# Altium PCB EL2086.PcbDoc (part 3 of 4) (continued)
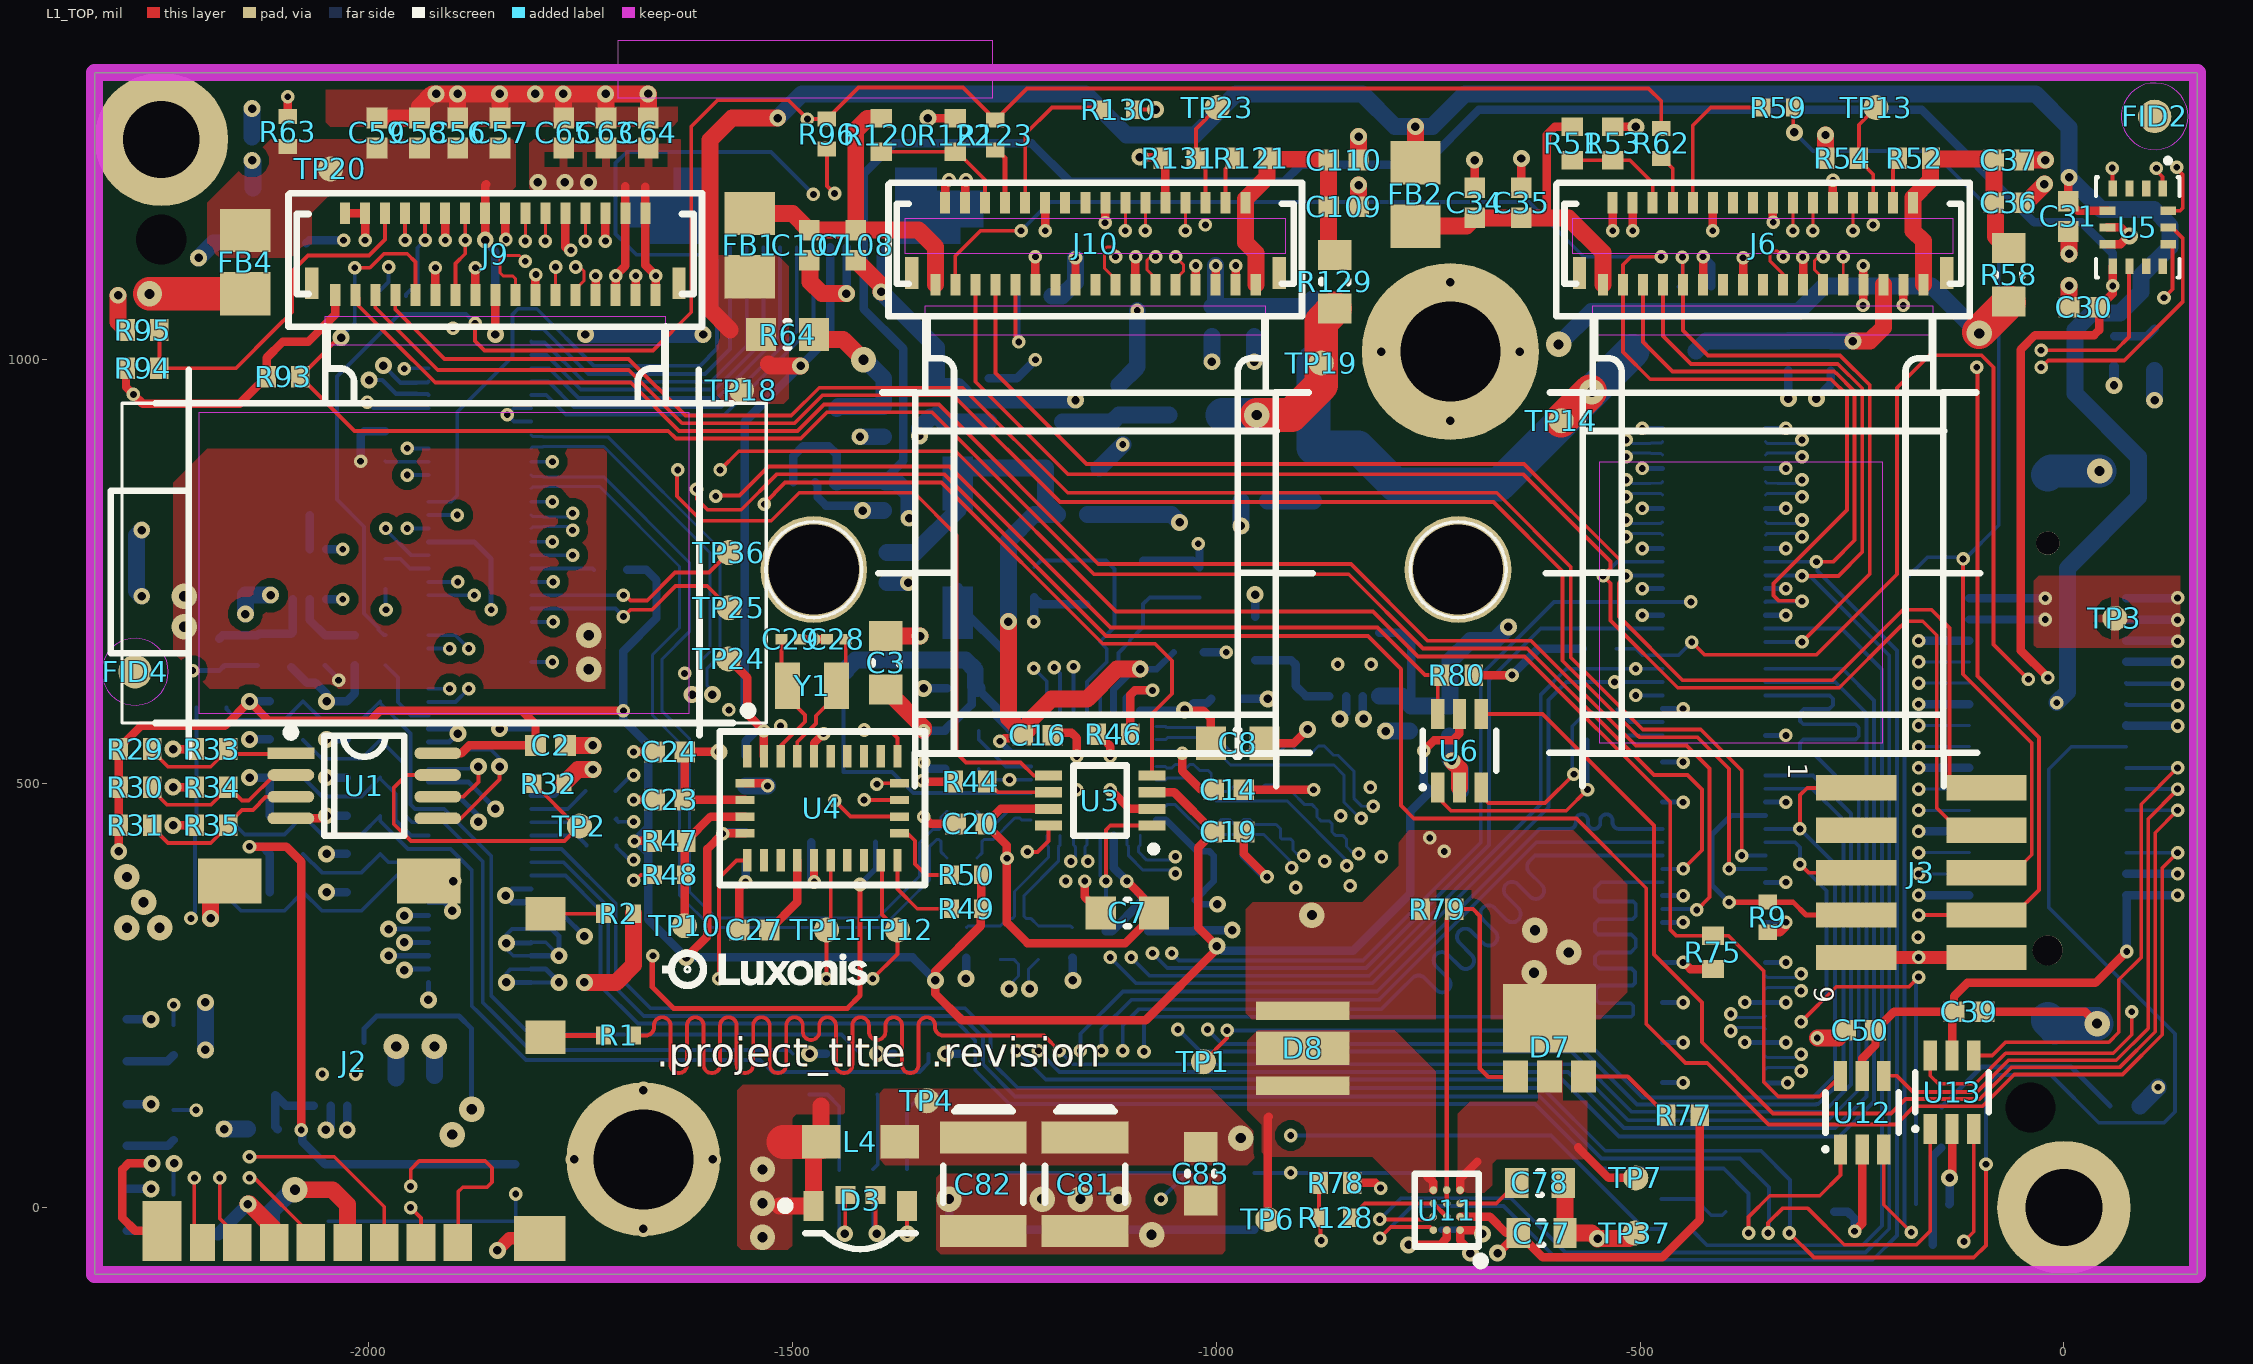
[diagram p0: L1_TOP view]
## Nets (pads, with @x,y where several pads share a name; then routed paths per layer and width w, separated by ;. In a path a pad name is that pad's centre, name@x,y a point inside that pad or via, vN(x,y) a via of type N, cw(c..) or ccw(c..) an arc to the next point about the centre after c; other vN are vias at no path point) (continued)
  L6_BOT w4.5: R10.1@-526.85,587.42 -512.04,572.61 J4.56@-473.35,572.61
KB_PWR_BTN: B1.2 R72.1 R73.2 | length 85.6
  L6_BOT w4.5: R72.1@-475,10 R73.2@-440,10 -435,10 -416,-9 -402.98,-9 B1.2@-398.98,-5
KB_PWR_BTN_S: J4.45 R72.2 | length 1862.1
  L3_HS w4.5: v1(-1010,210) -1010,180 -915,85 v1(-912,85)
  L6_BOT w4.5: v1(-1010,210) -993,193 -575,193 -503.5,121.5 -292.48,121.5 -291.98,122 -289.73,122 -260,151.73 -260,457.37 -296.5,493.87 J4.45@-352.09,493.87 ; v1(-912,85) -605,85 -494.57,-25.43 R72.2@-475,-25.43
KB_SW_RST: J4.47 SW2.1 SW2.3 | length 1759.2
  L3_HS w4.5: v1(-1065,10) -1045,30 v1(-1045,210)
  L6_BOT w4.5: SW2.1@-1249.8,40.89 SW2.3@-1034.11,40.89 ; v1(-1065,10) SW2.3@-1034.11,40.89 ; v1(-1045,210) -1044.23,210 -1018.23,184 -581,184 -510,113 -283,113 -251,145 -251,464.58 -296.03,509.62 J4.47@-352.09,509.62 ; SW2.3@-1029.33,40.89 SW2.3@-1034.11,40.89
LED0_10_GRN: R8.1 U2.27 | length 1778.4
  L3_HS w4.5: v1(-2203,115) -2194,124 -1955,124 -1917,162 -1864,215 -1512,215 -1501,204 -1077,204 -1019.72,261.28 -1019.72,328.18 -1072,380.46 -1072,520.17 -1072,535.28 -1142.65,605.93 -1157.76,605.93 -1168.19,616.36 v1(-1168.19,638)
  L6_BOT w4.5: R8.1@-2229.57,115.14 -2203.14,115.14 v1(-2203,115) ; U2.27@-1168.19,586.24 v1(-1168.19,638)
LED1: D8.1 TP6.1 U11.D3 | length 140.8
  L1_TOP w10: TP6.1@-939,-14 -939,106 -938,107 ; -751,37 -743.75,29.75 U11.D3@-743.75,20.62
LED1_100_OR: R56.1 U2.26 | length 1773.4
  L3_HS w4.5: v1(-2229.57,239) -2203.57,213 -1901,213 -1890,224 -1506,224 -1495,213 -1083.27,213 -1028.72,267.55 -1028.72,324.45 -1081,376.73 -1081,531.55 -1143.49,594.04 -1170.49,594.04 -1191,614.55 v1(-1191,637)
  L6_BOT w4.5: R56.1@-2229.57,215.14 v1(-2229.57,239) ; v1(-1191,637) -1183.94,629.94 U2.26@-1183.94,586.24
LED2: D7.2 TP7.1 U11.D1 | length 124.5
  L1_TOP w10: U11.D1@-712.25,20.62 -712.25,33.75 -692.11,53.89 ; -573,71 -537,35 TP7.1@-505,35
LED2_1000_GRN: R57.1 U2.25 | length 2051.9
  L3_HS w4.5: v2(-2229,52) -2231.07,52 -2234,54.93 -2234,147 -2276.93,189.93 -2276.93,248.07 -2266.5,258.5 -2179.5,258.5 -2144,223 -1905,223 -1895,233 -1501,233 -1490,222 -1087,222 -1037.72,271.28 -1037.72,297 -1037.72,320.72 -1090,373 -1090,523.27 -1146.73,580 -1174.07,580 -1200,605.93 -1215,620.93 v1(-1215,636)
  L6_BOT w4.5: R57.1@-2229.57,15.14 -2229.57,51.43 v2(-2229,52) ; v1(-1215,636) -1199.68,620.68 U2.25@-1199.68,586.24
MD1_N: J7.3 U2.2 | length 1777.1
  L3_HS w4: v1(-828.81,459.19) -823.86,459.19 -812.51,447.83 -793.98,447.83 -779.73,433.59 -779.73,415.05 -752.47,387.8 -724.41,387.8 -714.75,378.14 -714.75,253.69 -572.31,111.25 -538.36,111.25 -522.84,126.76 -482.08,126.76 -466.56,111.25 -430.4,111.25 -414.12,127.53 -357.53,127.53 -341.25,111.25 -281.08,111.25 -237.14,155.19 -237.14,308.91 -230.32,315.74 -219.9,315.74 -210.63,306.47 -210.63,234.25 -197.63,221.25 -171.08,221.25 -128.94,263.39 -128.94,402.56 -144.96,418.58 v1(-171.48,418.58)
  L6_BOT w3.5: U2.2@-1070.75,551.79 -1059.72,551.79 -1057.07,554.44 -1015.59,554.44 -983.11,521.96 -861.06,521.96 -849.1,510 -849.1,478.04 -830.25,459.19 v1(-828.81,459.19) ; v1(-171.48,418.58) J7.3@-111.69,418.58
MD1_P: J7.2 U2.1 | length 1779.2
  L3_HS w4: v1(-814.67,473.33) -814.67,468.38 -807.13,460.83 -788.59,460.83 -766.73,438.98 -766.73,420.44 -747.09,400.8 -719.02,400.8 -701.75,383.52 -701.75,259.07 -566.93,124.25 -543.74,124.25 -528.23,139.76 -476.69,139.76 -461.18,124.25 -435.79,124.25 -419.51,140.53 -352.15,140.53 -335.86,124.25 -286.47,124.25 -250.14,160.57 -250.14,314.3 -235.7,328.74 -214.52,328.74 -197.63,311.85 -197.63,239.64 -192.24,234.25 -176.46,234.25 -141.94,268.78 -141.94,336.39 -141.94,346.84 -151.94,356.84 -151.94,366.84 -141.94,376.84 -141.94,380.84 -141.94,397.17 -150.35,405.58 -164.85,405.58 -171.48,398.96 v1(-171.48,393.58)
  L6_BOT w3.5: U2.1@-1070.75,567.54 -1059.72,567.54 -1058.13,565.94 -1010.83,565.94 -978.35,533.46 -967.52,533.46 -956.69,544.29 -948.82,544.29 -937.99,533.46 -929.13,533.46 -918.31,544.29 -910.43,544.29 -899.61,533.46 -889.92,533.46 -879.09,544.29 -872.42,544.29 -861.59,533.46 -856.3,533.46 -837.6,514.76 -837.6,482.8 -828.13,473.33 v1(-814.67,473.33) ; v1(-171.48,393.58) J7.2@-111.69,393.58
MD2_N: J7.6 U2.5 | length 1760.1
  L3_HS w4: v1(-845.83,403.17) -840.88,403.17 -786.13,348.43 -767.9,348.43 -761.75,342.27 -761.75,248.36 -587.64,74.25 -523.03,74.25 -506.93,90.35 -492.79,90.35 -476.69,74.25 -416.22,74.25 -401.11,89.36 -372.51,89.36 -357.4,74.25 -265.76,74.25 -199.6,140.41 -199.6,172.76 -192.45,179.91 -160.09,179.91 -92.32,247.69 -92.32,428.35 -68.9,451.77 -68.9,481.97 -99.02,512.09 -126.38,512.09 -130.18,508.28 -144.88,493.58 v1(-171.48,493.58)
  L6_BOT w3.5: U2.5@-1070.75,504.55 -1059.72,504.55 -1057.6,506.67 -1026.91,506.67 -999.49,479.25 -915.9,479.25 -845.83,409.18 v1(-845.83,403.17) ; v1(-171.48,493.58) J7.6@-111.69,493.58
MD2_P: J7.5 U2.4 | length 1772.5
  L3_HS w4: v1(-831.69,417.31) -831.69,412.36 -814.02,394.7 -798.24,394.7 -794.31,390.76 -794.31,374.98 -780.75,361.43 -762.52,361.43 -748.75,347.65 -748.75,253.74 -582.26,87.25 -528.42,87.25 -512.32,103.35 -487.41,103.35 -471.31,87.25 -421.61,87.25 -406.5,102.36 -367.13,102.36 -352.01,87.25 -271.14,87.25 -212.6,145.79 -212.6,178.15 -197.83,192.91 -165.48,192.91 -105.32,253.07 -105.32,433.74 -81.9,457.16 -81.9,476.58 -104.4,499.09 -120.99,499.09 -139.5,480.58 -159.48,480.58 v1(-171.48,468.58)
  L6_BOT w3.5: U2.4@-1070.75,520.3 -1059.72,520.3 -1057.6,518.17 -1052.61,518.17 -1048.15,522.64 -1044.29,522.64 -1039.82,518.17 -1035.59,518.17 -1031.12,522.64 -1026.57,522.64 -1019.69,515.75 -1009.66,515.75 -1005.73,511.81 -1005.73,501.75 -994.73,490.75 -989.17,490.75 -985.17,490.75 -976.95,498.97 -966.95,498.97 -958.73,490.75 -953,490.75 -950.19,490.75 -942.48,498.46 -928.58,498.46 -920.87,490.75 -911.13,490.75 -895.56,475.18 -886.59,475.18 -880.91,469.49 -880.91,460.52 -876.58,456.2 -866.86,456.2 -863.41,452.75 -863.41,443.03 -859.36,438.98 -850.68,438.98 -846.2,434.5 -846.2,425.81 -837.7,417.31 v1(-831.69,417.31) ; v1(-171.48,468.58) J7.5@-111.69,468.58
MD3_N: J7.9 U2.7 | length 1830.9
  L3_HS w4: v1(-910.91,400.93) -905.96,400.93 -798.96,293.93 -798.96,233.24 -602.97,37.25 -250.43,37.25 -53.93,233.75 -53.93,408 -21.65,440.28 -21.65,489.17 -101.06,568.58 -169.14,568.58 v1(-171.48,568.58)
  L6_BOT w3.5: U2.7@-1070.75,473.05 -1059.72,473.05 -1057.6,475.18 -1048.14,475.18 -1013.24,440.27 -953,440.27 -944.24,440.27 -910.91,406.94 v1(-910.91,400.93) ; v1(-171.48,568.58) J7.9@-111.69,568.58
MD3_P: J7.8 U2.6 | length 1832
  L3_HS w4: v1(-896.77,415.07) -896.77,410.12 -848.99,362.34 -845.1,358.46 -830.96,358.46 -823.89,351.38 -823.89,337.24 -816.82,330.17 -802.68,330.17 -795.61,323.1 -795.61,308.96 -792.78,306.13 -785.96,299.31 -785.96,238.63 -597.58,50.25 -255.81,50.25 -66.93,239.13 -66.93,413.39 -34.65,445.66 -34.65,483.79 -106.45,555.58 -164.89,555.58 -171.48,548.99 v1(-171.48,543.58)
  L6_BOT w3.5: U2.6@-1070.75,488.8 -1059.72,488.8 -1057.6,486.68 -1043.38,486.68 -1009.46,452.76 -998.42,452.76 -993.22,457.95 -984.52,457.95 -979.33,452.76 -972.26,452.76 -967.07,457.95 -960.9,457.95 -954.72,451.77 -929.13,451.77 -924.31,446.95 -924.21,446.95 -924.21,436.5 -922.2,434.5 -911.86,434.5 -909.33,431.97 -909.33,421.62 -902.78,415.07 v1(-896.77,415.07) ; v1(-171.48,543.58) J7.8@-111.69,543.58
MD4_N: J7.12 U2.10 | length 2005
  L3_HS w4: v1(-1048,394) -1044.5,397.5 -995.15,397.5 -925.75,328.1 -925.75,303.17 -622.83,0.25 -235.1,0.25 29.25,264.6 29.25,489.49 -124.84,643.58 v1(-171.48,643.58)
  L6_BOT w3.5: U2.10@-1105.2,438.6 -1105.2,427.58 -1103.07,425.45 -1103.07,414.81 -1086.51,398.25 -1052.25,398.25 v1(-1048,394) ; v1(-171.48,643.58) J7.12@-111.69,643.58
MD4_P: J7.11 U2.9 | length 1997.6
  L3_HS w4: v1(-1048,414) -1044.5,410.5 -1034.49,410.5 -1030.49,410.5 -1020.49,420.5 -1010.49,420.5 -1000.49,410.5 -989.76,410.5 -912.75,333.49 -912.75,308.56 -907.68,303.48 -904.85,300.65 -890.71,300.65 -883.63,293.58 -883.63,279.44 -875.86,271.66 -861.71,271.66 -854.64,264.59 -854.64,250.45 -846.87,242.67 -832.72,242.67 -825.65,235.6 -825.65,221.46 -811.94,207.75 -617.44,13.25 -240.49,13.25 16.25,269.99 16.25,484.1 -99.72,600.08 -102.55,602.91 -116.27,602.91 -123.35,609.98 -123.35,623.7 -126.17,626.53 -130.23,630.58 -135.93,630.58 -142.72,623.79 -149.39,623.79 -156.17,630.58 -164.69,630.58 -171.48,623.79 v1(-171.48,618.58)
  L6_BOT w3.5: U2.9@-1089.45,438.6 -1089.45,427.58 -1091.57,425.45 -1091.57,419.57 -1081.75,409.75 -1052.25,409.75 v1(-1048,414) ; v1(-171.48,618.58) J7.11@-111.69,618.58
MIPI_RX2_C_N: J4.95 J6.20 | length 708.5
  L1_TOP w3.5: v1(-319.67,1152) J6.20@-319.67,1184.95
  L3_HS w4: v1(-319.67,1152) -320.74,1152 -324.9,1147.84 -342.98,1147.84 -360.25,1130.57 -360.25,1105.31 -360.25,1096.81 ccw(c-337.75,1096.81) -337.75,1074.31 -291.42,1074.31 cw(c-291.42,1064.81) -291.42,1055.31 -367.94,1055.31 ccw(c-367.94,1032.81) -367.94,1010.31 -303.5,1010.31 cw(c-303.5,1000.81) -303.5,991.31 -337.75,991.31 ccw(c-337.75,968.81) -360.25,968.81 -360.25,932.09 -360.25,903.56 -343.3,886.61 -313.41,886.61 -310.16,886.61 v1(-309,885.44)
  L6_BOT w3.5: J4.95@-352.09,887.57 -349.96,889.69 -313.25,889.69 v1(-309,885.44)
MIPI_RX2_C_P: J4.97 J6.19 | length 711
  L1_TOP w3.5: J6.19@-331.19,1088.49 -331.19,1100.79 -346.46,1116.05 -346.46,1124.42 -342.92,1127.95 -337.7,1127.95 v1(-331.19,1121.44)
  L3_HS w4: v1(-331.19,1121.44) -325.56,1121.44 -321.85,1125.15 -321.85,1131.92 -324.77,1134.84 -337.59,1134.84 -347.25,1125.18 -347.25,1105.31 -347.25,1096.81 ccw(c-337.75,1096.81) -337.75,1087.31 -291.42,1087.31 cw(c-291.42,1064.81) -291.42,1042.31 -367.94,1042.31 ccw(c-367.94,1032.81) -367.94,1023.31 -303.5,1023.31 cw(c-303.5,1000.81) -303.5,978.31 -337.75,978.31 ccw(c-337.75,968.81) -347.25,968.81 -347.25,932.09 -347.25,908.94 -337.91,899.61 -314.84,899.61 v1(-309,905.44)
  L6_BOT w3.5: J4.97@-352.09,903.32 -349.96,901.19 -313.25,901.19 v1(-309,905.44)
MIPI_RX2_D0_N: J4.89 J6.26 | length 706.4
  L1_TOP w3.5: v1(-248.81,1152) J6.26@-248.81,1184.95
  L3_HS w4: v1(-309,838.2) -305.75,838.2 -302.25,841.7 -247.3,841.7 -227.36,861.64 -227.36,881.89 -239.38,893.91 -268.24,893.91 -272.05,897.72 -272.05,910.35 -268.24,914.17 -197,914.17 -194.36,914.17 -181.91,926.61 -181.91,949.31 -193.23,960.63 -197,960.63 -233.58,960.63 -238.11,965.15 -238.11,972.5 -231.48,979.13 -197,979.13 -195.09,979.13 -179.6,994.61 -179.6,1011.1 -179.6,1026.78 -204,1051.18 -204,1121.53 -224.42,1141.95 -239.5,1141.95 -248.81,1151.26 v1(-248.81,1152)
  L6_BOT w3.5: J4.89@-352.09,840.33 -350.29,842.12 -338.34,842.12 -338.01,842.45 -316.63,842.45 -312.38,838.2 v1(-309,838.2)
MIPI_RX2_D0_P: J4.91 J6.25 | length 705.5
  L1_TOP w3.5: J6.25@-260.32,1088.49 v1(-260.32,1121.44)
  L3_HS w4: v1(-309,858.2) -305.75,858.2 -302.25,854.7 -252.69,854.7 -240.36,867.03 -240.36,876.51 -244.76,880.91 -273.62,880.91 -285.05,892.33 -285.05,915.74 -284.66,916.13 -273.62,927.17 -199.74,927.17 -197,929.91 -194.91,932 -194.91,943.93 -197,946.02 -198.61,947.63 -238.97,947.63 -251.11,959.77 -251.11,977.88 -236.86,992.13 -200.47,992.13 -197,995.6 -192.6,1000 -192.6,1011.1 -192.6,1021.4 -217,1045.8 -217,1116.14 -229.81,1128.95 -244.88,1128.95 -254.93,1139 -264.54,1139 -269.74,1133.81 -269.74,1125.15 -266.03,1121.44 v1(-260.32,1121.44)
  L6_BOT w3.5: J4.91@-352.09,856.07 -350.29,854.28 -338.34,854.28 -338.01,853.95 -316.63,853.95 -312.38,858.2 v1(-309,858.2)
MIPI_RX2_D1_N: J4.83 J6.22 | length 709.8
  L1_TOP w3.5: v1(-296.05,1152) J6.22@-296.05,1184.95
  L3_HS w4: v1(-309,790.96) -250.7,790.96 -197,844.65 -142.51,899.14 -142.51,1011.1 -142.51,1117.31 -211.43,1186.23 -260.62,1186.23 -278.25,1168.6 -278.25,1159.43 -285.68,1152 v1(-296.05,1152)
  L6_BOT w3.5: J4.83@-352.09,793.08 -349.96,795.21 -313.25,795.21 v1(-309,790.96)
MIPI_RX2_D1_P: J4.85 J6.23 | length 711.1
  L1_TOP w3.5: J6.23@-283.95,1088.49 -283.95,1095.67 -294.29,1106.02 -294.29,1116.8 -289.65,1121.44 v1(-283.95,1121.44)
  L3_HS w4: v1(-309,810.96) -302,803.96 -296.26,803.96 -292.26,803.96 -282.13,814.09 -272.13,814.09 -262,803.96 -257.87,803.96 -256.08,803.96 -197,863.04 -155.51,904.53 -155.51,1011.1 -155.51,1111.92 -216.82,1173.23 -255.24,1173.23 -265.25,1163.22 -265.25,1154.04 -280.29,1139 -289.15,1139 -294,1134.15 -294,1124.03 -291.42,1121.44 v1(-283.95,1121.44)
  L6_BOT w3.5: J4.85@-352.09,808.83 -349.96,806.71 -313.25,806.71 v1(-309,810.96)
MIPI_RX3_C_N: J4.96 J10.20 | length 1202.2
  L1_TOP w3.5: v1(-1107.07,1152) J10.20@-1107.07,1184.95
  L3_HS w4: v1(-1107.07,1152) -1112.07,1147 -1133.48,1147 -1151,1129.48 -1151,1043.62 -1104.98,997.6 -1083.02,997.6 -1065,1015.62 -1065,1063.62 -1059.62,1069 -1044.38,1069 -1037,1061.62 -1037,929.62 -987.38,880 -914,880 -893.5,900.5 -893.5,949.12 -882.62,960 -841.38,960 -833,951.62 -833,909 -813,889 -519.99,889 v1(-516.43,885.44)
  L6_BOT w3.5: v1(-516.43,885.44) -513.05,885.44 -508.8,889.69 -487.43,889.69 -487.1,889.36 -475.14,889.36 J4.96@-473.35,887.57
MIPI_RX3_C_P: J4.98 J10.19 | length 1210.8
  L1_TOP w3.5: J10.19@-1118.59,1088.49 -1118.59,1094.97 -1131.89,1108.27 -1131.89,1129.92 -1128.94,1132.87 -1122.05,1132.87 -1118.59,1129.42 v1(-1118.59,1121.44)
  L3_HS w4: v1(-1118.59,1121.44) -1112.56,1121.44 -1108.97,1125.03 -1108.97,1130.1 -1112.87,1134 -1128.1,1134 -1138,1124.1 -1138,1049 -1099.6,1010.6 -1088.4,1010.6 -1078,1021 -1078,1069 -1065,1082 -1039,1082 -1024,1067 -1024,935 -982,893 -919.38,893 -906.5,905.89 -906.5,954.5 -888,973 -836,973 -820,957 -820,914.38 -807.62,902 -519.88,902 v1(-516.43,905.44)
  L6_BOT w3.5: v1(-516.43,905.44) -513.05,905.44 -508.8,901.19 -487.43,901.19 -487.1,901.52 -475.14,901.52 J4.98@-473.35,903.32
MIPI_RX3_D0_N: J4.90 J10.26 | length 1204.2
  L1_TOP w3.5: v1(-1036.21,1152) J10.26@-1036.21,1184.95
  L3_HS w4: v1(-1036.21,1152) -1036.21,1151.37 -1028.81,1143.97 -985.32,1143.97 -956.06,1173.23 -916,1173.23 -913.7,1173.23 -893.5,1153.02 -893.5,1037.87 -882.41,1026.78 -850.86,1026.78 -835.63,1042.01 -835.63,1151.57 -816.45,1170.75 -645.01,1170.75 -446.75,972.49 -446.75,868.51 -473.56,841.7 -509.69,841.7 -513.19,838.2 v1(-516.43,838.2)
  L6_BOT w3.5: v1(-516.43,838.2) -513.05,838.2 -508.8,842.45 -499.92,842.45 -487.43,842.45 -487.1,842.12 -475.14,842.12 J4.90@-473.35,840.33
MIPI_RX3_D0_P: J4.92 J10.25 | length 1205.3
  L1_TOP w3.5: J10.25@-1047.73,1088.49 -1047.73,1094.99 -1038.39,1104.33 -1038.39,1112.1 v1(-1047.73,1121.44)
  L3_HS w4: v1(-1047.73,1121.44) -1055.12,1128.84 -1055.12,1134.64 -1050.98,1138.78 -1042.01,1138.78 -1034.2,1130.97 -979.94,1130.97 -950.68,1160.23 -919.09,1160.23 -916,1157.14 -906.5,1147.64 -906.5,1032.48 -887.8,1013.78 -845.47,1013.78 -822.63,1036.62 -822.63,1146.19 -811.07,1157.75 -650.4,1157.75 -459.75,967.1 -459.75,873.9 -478.95,854.7 -509.69,854.7 -513.19,858.2 v1(-516.43,858.2)
  L6_BOT w3.5: v1(-516.43,858.2) -513.05,858.2 -508.8,853.95 -495.15,853.95 -487.43,853.95 -487.1,854.28 -475.14,854.28 J4.92@-473.35,856.07
MIPI_RX3_D1_N: J4.84 J10.22 | length 1204.7
  L1_TOP w3.5: v1(-1083.45,1152) J10.22@-1083.45,1184.95
  L3_HS w4: v1(-1083.45,1152) -1082.38,1152 -1072.05,1152 -1065.75,1158.3 -1065.75,1203 -1065.75,1212.79 -1038.18,1240.36 -784.22,1240.36 -755.6,1211.75 -622.01,1211.75 -404.75,994.49 -404.75,856.22 -466.51,794.46 -512.93,794.46 v1(-516.43,790.96)
  L6_BOT w3.5: v1(-516.43,790.96) -513.05,790.96 -508.8,795.21 -499.92,795.21 -487.43,795.21 -487.1,794.87 -475.14,794.87 J4.84@-473.35,793.08
MIPI_RX3_D1_P: J4.86 J10.23 | length 1207.9
  L1_TOP w3.5: J10.23@-1071.35,1088.49 -1071.35,1095.95 -1081.69,1106.3 -1081.69,1117.13 -1077.37,1121.44 v1(-1071.35,1121.44)
  L3_HS w4: v1(-1071.35,1121.44) -1074.37,1121.44 -1080.97,1128.04 -1080.97,1134.64 -1076.61,1139 -1066.66,1139 -1052.75,1152.91 -1052.75,1154.53 -1052.75,1158.53 -1043.64,1167.64 -1043.64,1177.64 -1052.75,1186.75 -1052.75,1203 -1052.75,1207.41 -1032.8,1227.36 -1017.72,1227.36 -1013.72,1227.36 -1003.72,1217.36 -993.72,1217.36 -983.72,1227.36 -974.41,1227.36 -789.6,1227.36 -760.99,1198.75 -627.4,1198.75 -417.75,989.1 -417.75,861.6 -471.9,807.46 -512.93,807.46 v1(-516.43,810.96)
  L6_BOT w3.5: v1(-516.43,810.96) -513.05,810.96 -508.8,806.71 -495.15,806.71 -487.43,806.71 -487.1,807.04 -475.14,807.04 J4.86@-473.35,808.83
MIPI_RX4_C_N: J4.3 J9.20 | length 2132.5
  L1_TOP w3.5: v1(-1814.78,1139.9) J9.20@-1814.78,1172.85
  L3_HS w4: v1(-1814.78,1139.9) -1840.55,1114.13 -1840.55,1083.72 -1822.99,1066.16 -1701.9,1066.16 -1622.49,986.75 -1555.49,986.75 -1516.49,947.75 -1336.53,947.75 -906.03,517.25 -797.59,517.25 -672.25,391.91 -672.25,263.51 -573.27,164.53 -316.75,164.53 -313.25,161.03 v1(-310,161.03)
  L6_BOT w3.5: J4.3@-352.09,163.16 -350.29,164.95 -338.34,164.95 -338.01,165.28 -317.63,165.28 -313.38,161.03 v1(-310,161.03)
MIPI_RX4_C_P: J4.5 J9.19 | length 2143.1
  L1_TOP w3.5: J9.19@-1826.3,1076.4 -1826.3,1095.47 -1829.28,1098.46 -1840.58,1098.46 -1844.57,1102.44 -1844.57,1119.02 -1840.58,1123 -1821.64,1123 v1(-1814.78,1116.14)
  L3_HS w4: v1(-1814.78,1116.14) -1820.15,1116.14 -1827.55,1108.74 -1827.55,1089.1 -1817.61,1079.16 -1696.51,1079.16 -1617.1,999.75 -1550.1,999.75 -1511.1,960.75 -1331.14,960.75 -900.64,530.25 -792.2,530.25 -659.25,397.3 -659.25,268.9 -567.89,177.53 -316.75,177.53 -313.25,181.03 v1(-310,181.03)
  L6_BOT w3.5: J4.5@-352.09,178.91 -350.29,177.12 -338.34,177.12 -338.01,176.78 -317.63,176.78 -313.38,181.03 v1(-310,181.03)
MIPI_RX4_D0_N: J4.9 J9.26 | length 2133.5
  L1_TOP w3.5: v1(-1743.91,1139.9) J9.26@-1743.91,1172.85
  L3_HS w4: v1(-1743.91,1139.9) -1743.91,1138.6 -1738.19,1132.87 -1733.06,1132.87 -1726.09,1125.9 -1639.01,1125.9 -1566.36,1053.25 -1368.93,1053.25 -1008.68,693 -916.03,693 -893,669.97 -893,628.38 -877.62,613 -740.68,613 -649.25,521.57 -649.25,439.99 -519,309.74 -519,277.51 -542,254.51 -542,234.6 -530.05,222.65 -499.48,222.65 -487.41,234.72 -487.41,257.67 -471.33,273.75 -360.36,273.75 -345.47,258.86 -345.47,224.91 -358.6,211.78 -389.5,211.78 v1(-393,208.28)
  L6_BOT w3.5: v1(-393,208.28) -388.75,212.53 -366.17,212.53 -365.84,212.2 -353.88,212.2 J4.9@-352.09,210.4
MIPI_RX4_D0_P: J4.11 J9.25 | length 2132.4
  L1_TOP w3.5: J9.25@-1755.43,1076.4 -1755.43,1083.15 -1745.47,1093.12 -1745.56,1093.21 -1745.56,1104.6 -1745.45,1104.7 -1750.09,1109.35 v1(-1755.43,1109.35)
  L3_HS w4: v1(-1755.43,1109.35) -1755.43,1115 -1755.2,1115 -1751.11,1119.09 -1737.67,1119.09 -1731.47,1112.9 -1644.4,1112.9 -1571.75,1040.25 -1374.31,1040.25 -1014.06,680 -921.41,680 -906,664.59 -906,623 -883,600 -746.06,600 -662.25,516.19 -662.25,434.6 -532,304.35 -532,282.9 -555,259.9 -555,229.21 -535.43,209.65 -494.09,209.65 -474.41,229.33 -474.41,252.28 -465.94,260.75 -449,260.75 -445,260.75 -435.29,251.04 -425.29,251.04 -415.57,260.75 -405.57,260.75 -396.44,251.61 -386.44,251.61 -377.3,260.75 -370.08,260.75 -365.75,260.75 -358.47,253.47 -358.47,230.29 -363.98,224.78 -389.5,224.78 v1(-393,228.28)
  L6_BOT w3.5: v1(-393,228.28) -388.75,224.03 -366.17,224.03 -365.84,224.36 -353.88,224.36 J4.11@-352.09,226.15
MIPI_RX4_D1_N: J4.15 J9.22 | length 2129.7
  L1_TOP w3.5: v1(-1791.16,1139.9) J9.22@-1791.16,1172.85
  L3_HS w4: v1(-1791.16,1139.9) -1788.92,1139.9 -1759.57,1169.25 -1613.46,1169.25 -1543.62,1099.41 -1515.75,1099.41 -1487.98,1127.17 -1390.53,1127.17 -1023.1,759.75 -969.58,759.75 -946.65,782.69 -908.41,782.69 -779.33,653.6 -728.95,653.6 -611.25,535.9 -611.25,468.25 -546.59,403.59 -520.05,403.59 -477.36,360.9 -477.36,334.36 -460.75,317.75 -293.14,317.75 -277.35,301.96 -277.35,271.56 -289.89,259.02 -306.5,259.02 v1(-310,255.52)
  L6_BOT w3.5: J4.15@-352.09,257.65 -350.29,259.44 -338.34,259.44 -338.01,259.77 -314.25,259.77 v1(-310,255.52)
MIPI_RX4_D1_P: J4.17 J9.23 | length 2128.7
  L1_TOP w3.5: J9.23@-1779.05,1076.4 v1(-1779.05,1109.35)
  L3_HS w4: v1(-1779.05,1109.35) -1789.46,1109.35 -1795.28,1115.16 -1795.28,1122.05 -1791.42,1125.9 -1784.53,1125.9 -1754.18,1156.25 -1618.85,1156.25 -1549.01,1086.41 -1510.36,1086.41 -1482.6,1114.17 -1395.91,1114.17 -1028.49,746.75 -964.2,746.75 -941.26,769.69 -913.8,769.69 -784.71,640.6 -734.34,640.6 -624.25,530.51 -624.25,462.87 -551.97,390.59 -525.43,390.59 -490.36,355.52 -490.36,328.98 -466.13,304.75 -413.39,304.75 -409.39,304.75 -403.15,298.51 -393.15,298.51 -386.91,304.75 -376.91,304.75 -370.67,298.51 -360.67,298.51 -354.43,304.75 -340.37,304.75 -298.53,304.75 -290.35,296.58 -290.35,276.94 -295.28,272.02 -306.5,272.02 v1(-310,275.52)
  L6_BOT w3.5: J4.17@-352.09,273.4 -350.29,271.6 -338.34,271.6 -338.01,271.27 -314.25,271.27 v1(-310,275.52)
MIPI_RX5_D0_N: J4.21
MIPI_RX5_D0_P: J4.23
MIPI_RX5_D1_N: J4.27
MIPI_RX5_D1_P: J4.29
MODULE_nRST: J3.1 J4.39 SW1.1 SW1.3 TP1.1 | length 1701.8
  L1_TOP w4.5: TP1.1@-1015,172 -987,200 v1(-987,209) ; v1(-311.42,446.62) -311.42,486.42 -302.83,495 J3.1@-245,495
  L3_HS w4.5: v1(-987,209) -894,116 -894,59 v1(-912,41)
  L6_BOT w4.5: v1(-987,209) -576,209 -497,130 -296,130 -270,156 -270,405.21 v1(-311.42,446.62) J4.39@-352.09,446.62 ; SW1.1@-954.8,40.89 SW1.3@-734.33,40.89
MX-IO46_FSYNC: J5.42 R26.1 | length 92.1
  L6_BOT w4.5: R26.1@-1979.57,639.7 -1965,625.14 -1965,596 -1949.48,580.48 J5.42@-1929.05,580.48
MX-IO48_KB-IO9: J4.54 R107.1 | length 55.3
  L6_BOT w4.5: R107.1@-526.85,552.42 -522.41,556.86 J4.54@-473.35,556.86
NetC41_2: C41.2 R64.1 U7.5 | length 193.2
  L1_TOP w20: R64.1@-1474,1029.7 -1468.3,1024 -1439.83,1024 v3(-1415.83,1000)
  L6_BOT w20: U7.5@-1447.41,942.31 -1445.17,944.55 C41.2@-1392,944.55 -1392,978 -1414,1000 v3(-1415.83,1000)
NetC45_2: C45.2 R65.1 U9.5 | length 128.9
  L6_BOT w20: U9.5@-1181.26,926.83 -1122.44,926.83 C45.2@-1114.57,934.7 R65.1@-1055.6,934.7
NetC46_2: C46.2 L2.2 R66.1 R67.2 U8.5
NetC49_2: C49.2 L3.2 R69.1 R70.2 U10.5 | length 54.3
  L6_BOT w20: C49.2@-939.25,833.5 R69.1@-885,833.5
NetC78_1: C78.1 U11.C1 | length 76.7
  L1_TOP w4.3: U11.C1@-712.25,4.87 -669.69,4.87 C78.1@-645.56,29
NetC101_2: C101.2 C102.2 C103.2 C104.1 L6.2 R76.1 R125.1 | length 1002.2
  L3_HS w6: v1(-2207,633.27) -2067.74,633.27 -2009,692 -2009,740 -1971,778 -1899,778 -1873,804 -1873,850 -1917.75,894.75 -1917.75,1064.18 -1955,1101.43 -1955,1117 -1996,1158 -2011.78,1158 v1(-2029,1140.78)
  L6_BOT w6: v1(-2207,633.27) C104.1@-2175.74,633.27 -2169.61,639.39 R125.1@-2130.74,639.39
  L6_BOT w10: C101.2@-2073.07,1137.42 -2069.71,1140.78 v1(-2029,1140.78)
NetC104_2: C104.2 R125.2 R127.2 U22.6 | length 128.9
  L6_BOT w10: C104.2@-2175.74,670.95 -2171.86,674.82 R125.2@-2130.74,674.82 -2128.77,676.79 R127.2@-2090.74,676.79 -2088.77,678.76 U22.6@-2088.77,717.42
NetD1_1: D1.1 Q1.3 | length 118.6
  L6_BOT w10: Q1.3@-155,-44.02 -155,60.39 D1.1@-145,70.39
NetD2_2: D2.2 R3.1 | length 51.9
  L6_BOT w10: R3.1@59,1027.43 97.68,1027.43 D2.2@107,1036.75
NetD3_2: D3.2 R7.2 | length 90.4
  L1_TOP w4.5: v2(-1438,-30.9) -1437.28,-30.18 D3.2@-1437.28,14.9
  L6_BOT w4.5: R7.2@-1444.57,10.69 -1444.57,-24.33 v2(-1438,-30.9)
NetD3_3: D3.3 R6.2 | length 88.5
  L1_TOP w4.5: D3.3@-1401.85,14.9 -1401.85,-28.77 v2(-1400,-30.62)
  L6_BOT w4.5: R6.2@-1404.57,9.7 -1404,9.14 -1404,-26.62 v2(-1400,-30.62)
NetD3_4: D3.4 R5.2 | length 73.8
  L1_TOP w4.5: D3.4@-1364.45,2 -1364.45,-30.62 v2(-1364.17,-30.9)
  L6_BOT w4.5: R5.2@-1364.57,9.7 -1364.57,-30.5 v2(-1364.17,-30.9)
NetD4_1: D4.1 R57.2 | length 57.9
  L6_BOT w10: D4.1@-2284.57,-27.19 -2236.46,-27.19 R57.2@-2229.57,-20.3
NetD7_1: D7.1 R77.1 | length 116.3
  L1_TOP w5: D7.1@-566.42,154.53 -514.47,154.53 R77.1@-468.94,109
NetD18_1: D18.1 R8.2 | length 57.9
  L6_BOT w10: D18.1@-2284.57,72.81 -2236.46,72.81 R8.2@-2229.57,79.7
NetD19_1: D19.1 R56.2 | length 57.9
  L6_BOT w10: D19.1@-2284.57,172.81 -2236.46,172.81 R56.2@-2229.57,179.7
NetJ4_69: J4.69 R73.1 | length 1056.7
  L6_BOT w4.5: R73.1@-440,-25.43 -420.94,-44.49 -237.51,-44.49 -214.5,-21.48 -214.5,634.78 -262.57,682.85 J4.69@-352.09,682.85
NetJ5_23: J5.23 R114.2 | length 70.4
  L6_BOT w4.5: J5.23@-1807.8,438.75 -1753.75,438.75 -1742.72,427.72 R114.2@-1742.72,427
NetJ5_25: J5.25 R108.2 | length 66.9
  L6_BOT w4.5: J5.25@-1807.8,454.5 -1747.22,454.5 R108.2@-1742.72,459
NetJ5_27: J5.27 R113.2 | length 72.9
  L6_BOT w4.5: J5.27@-1807.8,470.25 -1764.62,470.25 R113.2@-1743.62,491.24
NetJ5_64: J5.64 R28.1 | length 55.2
  L6_BOT w4.5: R28.1@-1979.57,765.14 -1962.14,765.14 -1950.71,753.71 J5.64@-1929.05,753.71
NetJ5_80: J5.80 R60.1 | length 51.2
  L6_BOT w4.5: R60.1@-1980,880.28 -1979.41,879.7 J5.80@-1929.05,879.7
NetJ6_28: J6.28 R54.1 TP13.1 | length 128
  L1_TOP w4.5: J6.28@-225.18,1184.95 -225,1185.13 -225,1218.57 -241.88,1235.45 R54.1@-241.88,1237.42 -241.88,1277.11 TP13.1@-221.57,1297.42
NetJ6_30: J6.30 R52.1 | length 54.7
  L1_TOP w4.5: J6.30@-201.56,1184.95 -201.56,1232.11 R52.1@-196.25,1237.42
NetJ7_28: J7.28 R114.1 | length 3162.7
  L1_TOP w4.3: -197,99 -176.3,119.7 -95.82,119.7 -58.52,157 69,157 115.9,203.9 115.9,400.48 v1(134,418.58)
  L1_TOP w4.5: v1(-1612.83,847.17) -1612.54,846.88 -1612.54,835.54 -1600,823 -1560,823 -1518,865 -1321,865 -1130,674 -821,674 -782,635 -782,474.16 -766.84,459 -575,459 -492.59,376.59 -492.59,216.59 -446.5,170.5 -420.8,170.5 -348.3,98 -198,98 -197,99
  L3_HS w4.5: v1(-1687,410) -1773,496 -1773,564 -1612.83,724.17 v1(-1612.83,847.17)
  L6_BOT w4.5: R114.1@-1707.28,427 -1707.28,425.03 -1694.36,412.1 -1689.1,412.1 v1(-1687,410) ; J7.28@73.35,418.58 v1(134,418.58)
NetJ9_13: J9.13 J9.14 R63.2 | length 480
  L1_TOP w4.5: J9.13@-1897.16,1076.4 -1897.16,1113.48 -1885.64,1125 v1(-1885.64,1140.78) J9.14@-1885.64,1172.85
  L1_TOP w10: R63.2@-2095,1286.72 v1(-2095,1310)
  L4_POWER w10: v1(-2095,1310) -2095,1195 -2070,1170 -1900,1170 -1885.64,1155.64 v1(-1885.64,1140.78)
NetJ10_28: J10.28 R131.1 TP23.1 | length 127.7
  L1_TOP w4.5: R131.1@-1015.55,1227.13 -1023.88,1235.45 -1023.88,1272.11 TP23.1@-998.57,1297.42 ; R131.1@-1015.52,1227.13 -1012.59,1224.2 J10.28@-1012.59,1184.95
NetJ10_30: J10.30 R121.1 | length 56.9
  L1_TOP w4.5: J10.30@-988.96,1184.95 -988.96,1203 -988.96,1224.74 -978.25,1235.45 R121.1@-978.25,1237.42
NetL2_1: L2.1 U8.7
NetL3_1: L3.1 U10.7
NetL6_1: L6.1 U22.2 | length 40.2
  L6_BOT w10: U22.2@-2069.08,776.48 -2069.08,816.7
NetQ2_3: Q2.3 R5.1 | length 122.7
  L6_BOT w4.5: R5.1@-1364.57,45.14 -1364.57,115.43 -1346.59,133.41 Q2.3@-1319.57,133.41
NetQ4_3: Q4.3 R6.1 | length 90.8
  L6_BOT w4.5: R6.1@-1404.57,45.14 -1399,50.7 -1399,132.84 Q4.3@-1399.57,133.41
NetQ5_3: Q5.3 R7.1 | length 116.1
  L6_BOT w4.5: Q5.3@-1479.57,133.41 -1458.41,133.41 -1444.57,119.57 R7.1@-1444.57,44.15
NetR29_1: R29.1 R33.2 U1.1 | length 184.8
  L1_TOP w4.5: R29.1@-2254.88,540.81 -2254.88,538.88 -2236,520 -2185.69,520 R33.2@-2164.88,540.81 -2159.07,535 -2091.99,535 U1.1@-2091.18,535.81
NetR30_1: R30.1 R34.2 U1.2 | length 201.7
  L1_TOP w4.5: R30.1@-2254.88,495.81 -2254.88,492.88 -2237,475 -2185.69,475 R34.2@-2164.88,495.81 -2149.07,480 -2140.88,480 -2110.67,510.22 U1.2@-2091.18,510.22
NetR31_1: R31.1 R35.2 U1.3 | length 197.4
  L1_TOP w4.5: R31.1@-2254.88,450.81 -2254.88,448.88 -2236,430 -2185.69,430 R35.2@-2164.88,450.81 -2164.88,453.12 -2149,469 -2136,469 -2120.37,484.63 U1.3@-2091.18,484.63
NetR32_2: R32.2 TP2.1 U1.7 | length 409.8
  L1_TOP w4.5: U1.7@-1917.95,510.22 -1954.78,510.22 -1970,495 -1970,452.72 -1949.7,432.42 -1768.58,432.42 TP2.1@-1751,450 -1754.78,450 R32.2@-1804.78,500